# Altium PCB SensorMotherBoard.PcbDoc (part 2 of 2)
Units mil, origin at the board's own origin, x right, y up, seen from the top; angles counter-clockwise.
Board outline 8008 x 8008.24 mil, 4 copper layers (Top Layer, Layer 1, Layer 2, Bottom Layer), stack 23.756 mil thick; 234 components, 126 nets, 753 pads, 379 vias.
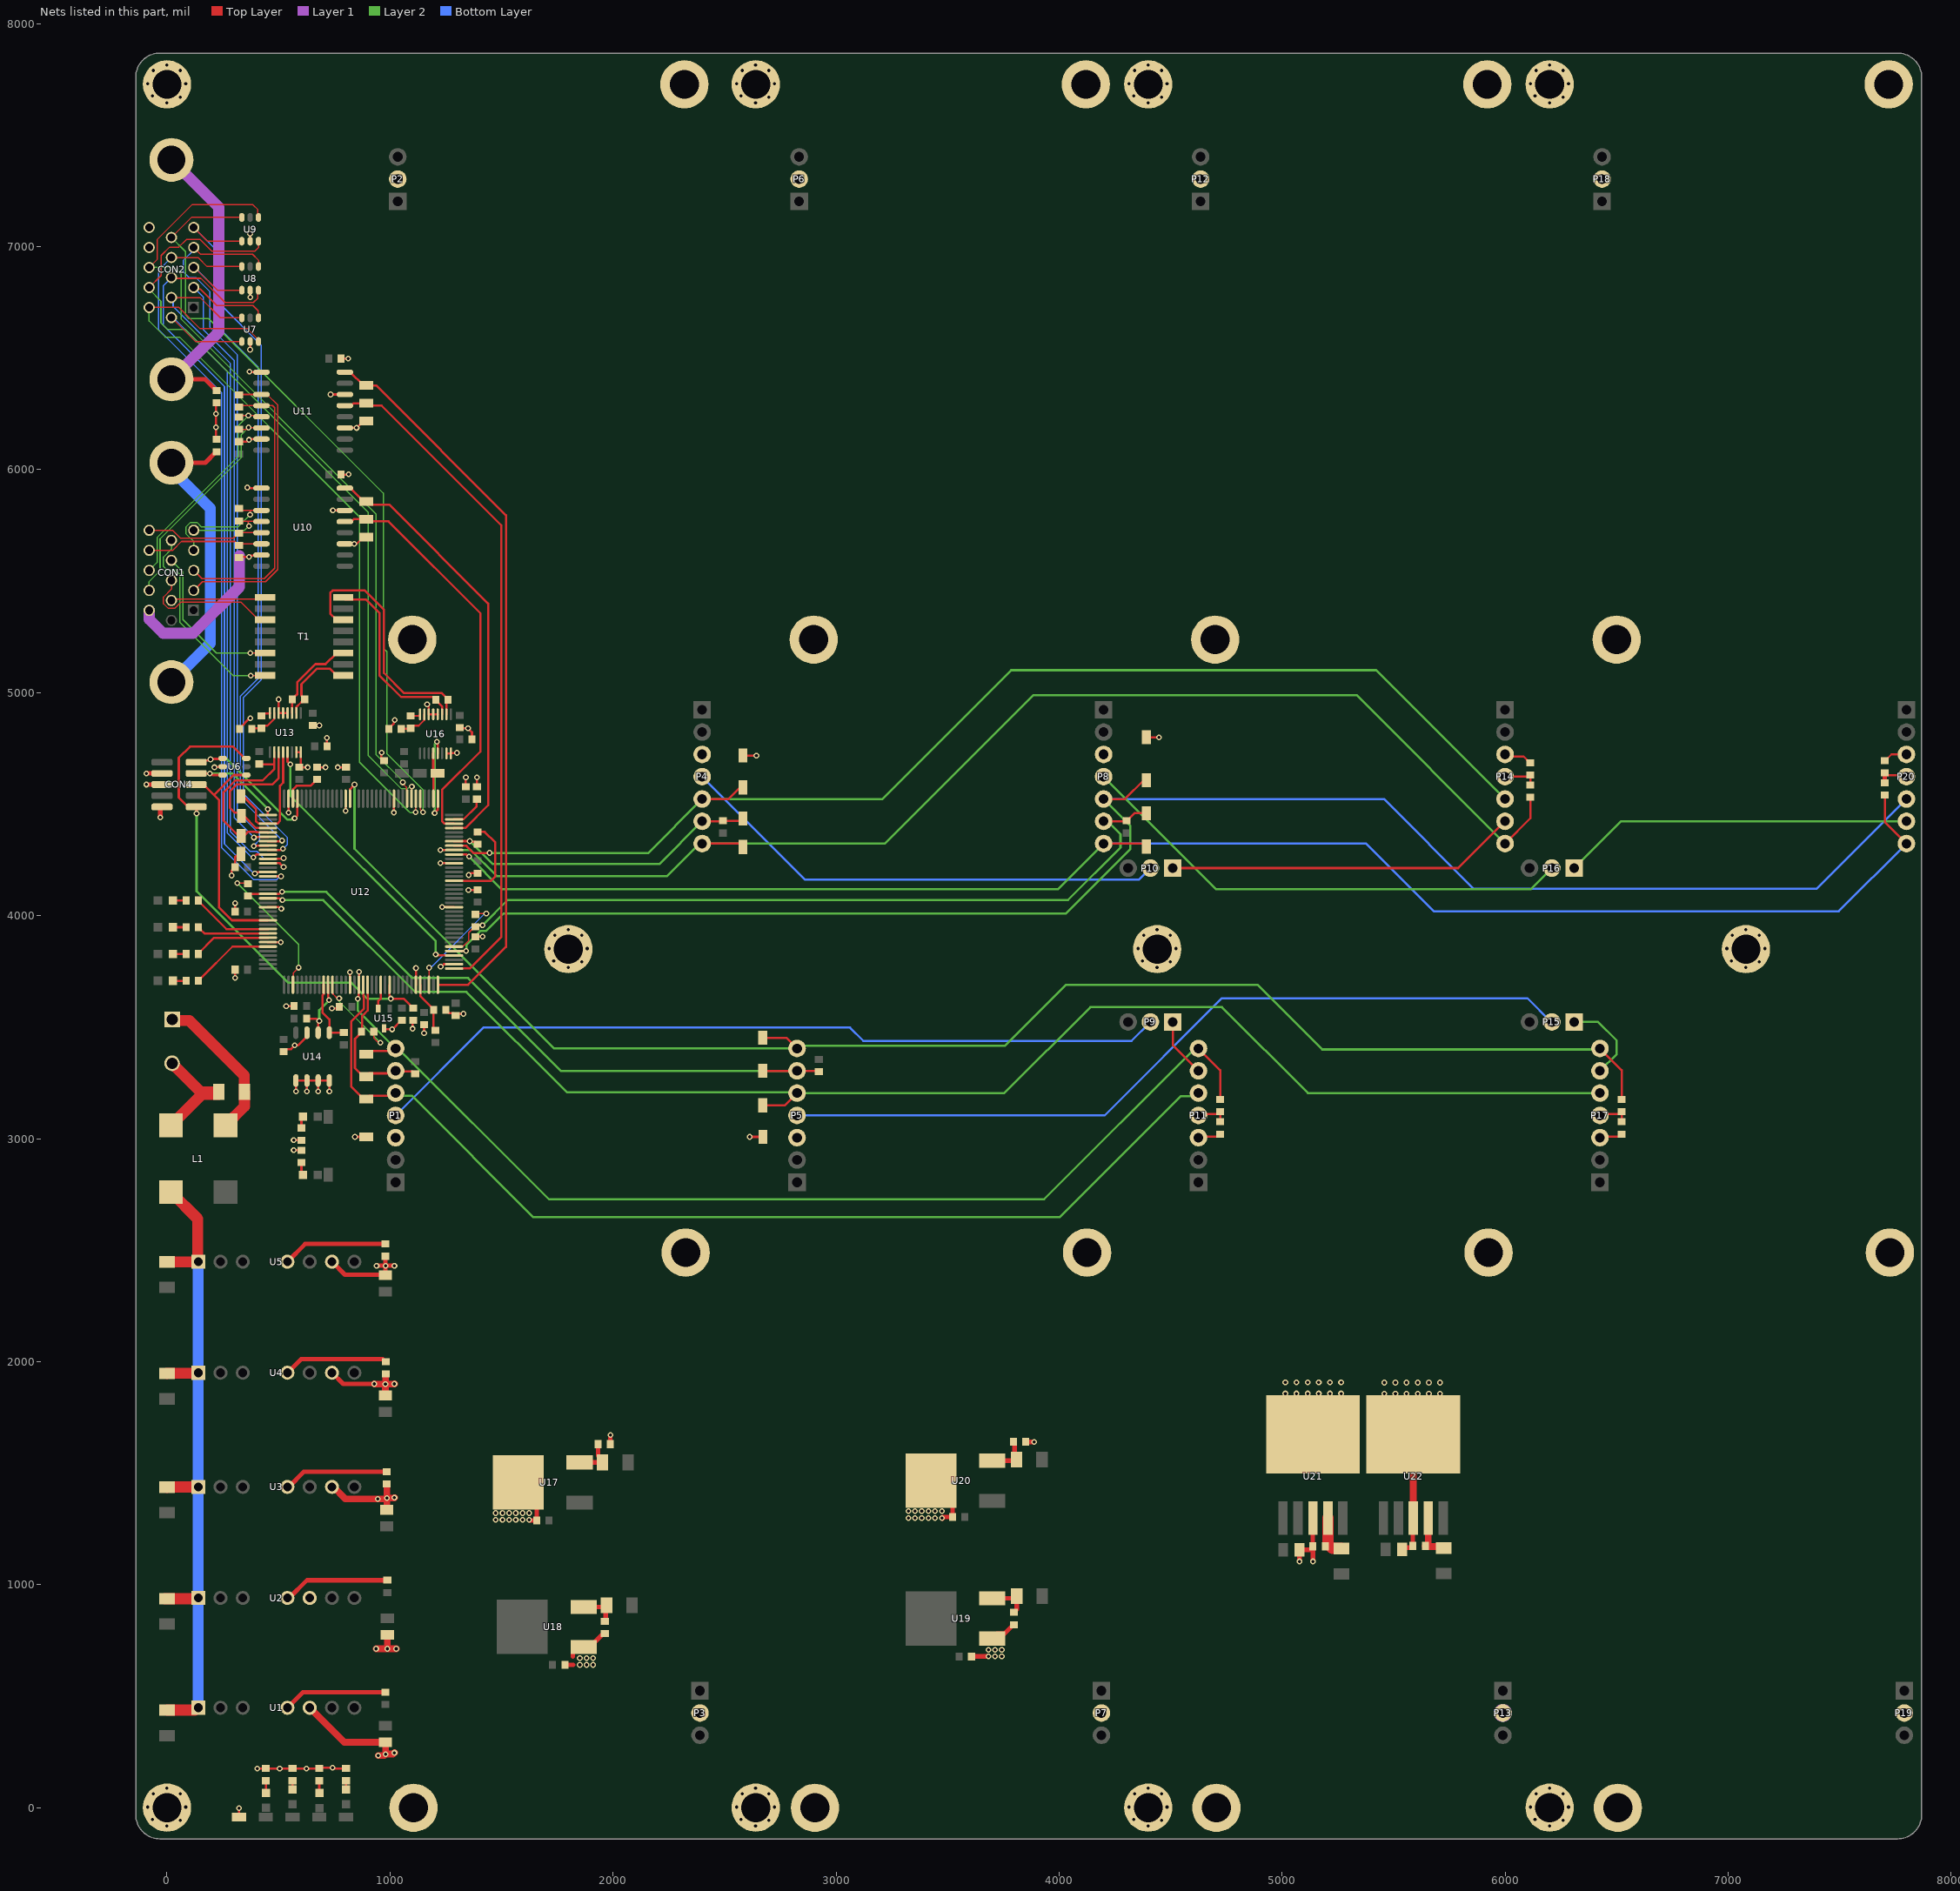
[diagram p4: the nets of this part, all layers, seen from the top]

## Via types
v1: diameter 26, hole 14, Top Layer to Bottom Layer, tented both sides, 315 vias
v2: diameter 26, hole 14, Top Layer to Bottom Layer, 64 vias

## Nets (pads, with @x,y where several pads share a name; then routed paths per layer and width w, separated by ;. In a path a pad name is that pad's centre, name@x,y a point inside that pad or via, vN(x,y) a via of type N, cw(c..) or ccw(c..) an arc to the next point about the centre after c; other vN are vias at no path point) (continued)
AMDC_isoSPI1_NSS: U12.73 U16.5 | length 448.2
  Top Layer w10: v1(1200,4460) 1214.14,4474.14 1214.14,4524.27 U12.73@1214.49,4524.61 ; v1(1210,4780) 1210,4775.67 1213.54,4772.13 U16.5@1213.54,4728
  Layer 2 w10: v1(1200,4460) 1200,4770 v1(1210,4780)
AMDC_isoSPI1_SCLK: TP13.1 U12.74 U16.4 | length 221.1
  Top Layer w10: U16.4@1193.86,4728 1193.86,4706.43 1193.92,4706.37 1193.92,4652.69 1208.6,4638 TP13.1@1212.91,4638 ; U12.74@1194.8,4524.61 1194.8,4623.31 1209.49,4638 TP13.1@1210.73,4638
AMDC_isoSPI2_MISO: TP2.1 U12.112 U13.3 | length 641.8
  Top Layer w10: U12.112@452.33,4393.07 399.09,4393.07 345.24,4446.92 TP2.1@333.43,4446.92 318.74,4461.6 303.91,4461.6 282.91,4482.6 282.91,4558.56 312.27,4587.92 472.83,4587.92 501.19,4616.28 U13.3@501.19,4733.41
AMDC_isoSPI2_MOSI: R13.2 TP1.1 U12.113 U13.2 | length 779.9
  Top Layer w9: R13.2@412.91,4680.44 415.35,4678 481.5,4678
  Top Layer w10: U12.113@452.68,4373.04 452.33,4373.39 402.68,4373.39 400.56,4375.5 362.22,4375.5 344.72,4358 TP1.1@332.91,4358 321.1,4358 252.91,4426.19 252.91,4553.31 305.89,4606.29 428.92,4606.29 481.5,4658.87 481.5,4678 U13.2@481.5,4733.41
AMDC_isoSPI2_NSS: U12.40 U13.5 | length 1266.2
  Top Layer w10: U13.5@540.56,4733.41 540.56,4690.35 v1(552.91,4678) ; v1(1205.27,3826.47) 1209.88,3821.86 U12.40@1287.32,3821.86
  Layer 2 w10: v1(552.91,4678) 552.91,4538 1205.27,3885.64 v1(1205.27,3826.47)
AMDC_isoSPI2_SCLK: TP3.1 U12.111 U13.4 | length 579.1
  Top Layer w10: TP3.1@331.36,4535.78 343.18,4535.78 357.86,4521.1 357.86,4518.7 398.84,4477.72 398.84,4424.47 409.97,4413.34 409.97,4412.76 452.33,4412.76 U12.111@452.68,4412.41 453.02,4412.76 494.8,4412.76 507.11,4425.06 507.11,4582.7 520.87,4596.46 U13.4@520.87,4733.41
AMDC_UART1_IN: TP9.1 U11.5 U12.37 | length 3049.4
  Top Layer w10: U11.5@797.6,6287.29 826.88,6287.29 837.58,6298 TP9.1@892.91,6298 903.62,6287.29 962.71,6287.29 1498.85,5751.15 1498.85,3903.94 1358.06,3763.15 1287.67,3763.15 U12.37@1287.32,3762.8
AMDC_UART1_OUT: TP10.1 U11.8 U12.36 | length 3299.8
  Top Layer w10: U11.8@797.6,6437.29 821.81,6437.29 881.1,6378 937.66,6378 1520,5795.66 1520,3860 1349.97,3689.97 U12.36@1214.49,3689.97
AMDC_UART2_IN: TP7.1 U10.5 U12.70 | length 1848.3
  Top Layer w10: U10.5@797.6,5767.29 826.88,5767.29 837.58,5778 TP7.1@892.91,5778 902.91,5768 985.33,5768 992.91,5768 995.84,5765.07 999.48,5761.43 1405.41,5355.5 1405.41,4735.41 1233.48,4563.48 1233.48,4424.47 1245.2,4412.76 1286.98,4412.76 U12.70@1287.32,4412.41
AMDC_UART2_OUT: TP8.1 U10.8 U12.69 | length 1956.7
  Top Layer w10: U10.8@797.6,5917.29 821.81,5917.29 881.1,5858 TP8.1@892.91,5858 907.6,5843.31 996.69,5843.31 1440,5400 1440,4495.09 1337.98,4393.07 1287.67,4393.07 U12.69@1287.32,4392.72
BUSY15: R24.2 U12.12 | length 410.8
  Top Layer w6: U12.12@742.05,3671.47 742.05,3652.96 745.33,3649.68 745.33,3647.74 759.63,3633.43 768.48,3633.43 v1(772.31,3629.61) ; R24.2@927.56,3480 927.56,3451.06 948.55,3430.07 v1(957.06,3430.07)
  Top Layer w10: R24.2@919.21,3476.57 919.72,3476.06 R24.2@919.72,3468.75
  Layer 2 w6: v1(772.31,3629.61) 772.31,3614.82 v1(957.06,3430.07)
BUSY26: R37.1 U12.57 | length 458.9
  Top Layer w10: U12.57@1287.32,4156.5 1453.04,4156.5 1471.93,4175.39 1471.93,4327.96 1424.33,4375.56 R37.1@1392.91,4375.56 R37.1@1382.16,4364.81
BUSY37: R12.2 U12.3 | length 629.4
  Top Layer w6: v1(315.22,4146.07) 359.96,4146.07 R12.2@362.91,4143.12 ; U12.3@564.88,3689.97 565.99,3691.08 565.99,3742.59 v1(590.24,3766.84)
  Layer 2 w6: v1(315.22,4146.07) 590.24,3871.04 v1(590.24,3766.84)
BUSY48: R36.1 U12.34 | length 484.5
  Top Layer w6: U12.34@1175.12,3689.97 1175.48,3690.33 1175.48,3766.29 v1(1175.83,3766.65) ; R36.1@1382.91,4005.56 1387.3,4009.95 v1(1431.86,4009.95)
  Bottom Layer w6: v1(1175.83,3766.65) 1181.25,3766.65 1187.13,3772.53 1189.06,3772.53 1426.48,4009.95 v1(1431.86,4009.95)
CONVST15: P1.7 P11.7 R45.1 TP6.1 U12.18 | length 4988.6
  Top Layer w10: v1(855.63,3627.24) 859.81,3631.42 859.81,3689.62 U12.18@860.16,3689.97 860.5,3690.31 860.5,3746.86 v1(861.37,3747.72) ; TP6.1@892.91,3378 907.6,3392.69 1013.63,3392.69 P1.7@1025.2,3404.25 ; P11.7@4625.2,3404.25 4722.91,3306.54 R45.1@4722.91,3175.56
  Layer 2 w10: v1(855.63,3627.24) 855.63,3573.82 P1.7@1025.2,3404.25 1036.66,3404.25 1712.91,2728 3932.91,2728 4609.16,3404.25 P11.7@4625.2,3404.25
CONVST26: P4.7 P14.7 R50.1 TP14.1 U12.64 | length 5937.4
  Top Layer w10: v1(1226.61,4294.3) U12.64@1287.32,4294.3 ; P4.7@2399.64,4323.26 2400.22,4322.69 2568.23,4322.69 TP14.1@2582.91,4308 ; P14.7@5999.64,4323.26 6112.91,4436.54 R50.1@6112.91,4530.44
  Layer 2 w10: v1(1226.61,4294.3) 1361.85,4294.3 1478.15,4178 2242.91,4178 2388.18,4323.26 P4.7@2399.64,4323.26 3218.77,4323.26 3884.64,4989.14 5333.76,4989.14 P14.7@5999.64,4323.26
CONVST37: P5.7 P17.7 R51.1 TP19.1 U12.93 | length 7007.7
  Top Layer w10: U12.93@820.79,4524.61 821.13,4524.96 821.13,4566.74 833.87,4579.47 833.87,4584.02 837.64,4587.79 v1(840.81,4587.79) 833.12,4587.79 v1@832.91,4588 ; TP19.1@2671.16,3452.04 2777.41,3452.04 P5.7@2825.2,3404.25 ; P17.7@6425.2,3404.25 6522.91,3306.54 R51.1@6522.91,3175.56
  Layer 2 w10: v1(840.81,4587.79) 840.81,4300.1 1736.66,3404.25 P5.7@2825.2,3404.25 2837.64,3416.69 3758.19,3416.69 4031.5,3690 4890,3690 5180,3400 6420.95,3400 P17.7@6425.2,3404.25
CONVST48: P8.7 P20.7 R54.1 TP20.1 U12.63 | length 7369.1
  Top Layer w10: U12.63@1287.32,4274.61 1342.18,4274.61 1351.74,4265.05 v1(1355.04,4265.05) ; P8.7@4199.64,4323.26 4378.43,4323.26 TP20.1@4391.69,4310 ; R54.1@7702.91,4540.44 7702.91,4419.99 P20.7@7799.64,4323.26
  Layer 2 w10: v1(1355.04,4265.05) 1355.04,4263.56 1500.6,4118 3994.38,4118 P8.7@4199.64,4323.26
  Bottom Layer w10: P8.7@4199.64,4323.26 5376.74,4323.26 5680,4020 7496.38,4020 P20.7@7799.64,4323.26
DIN1: P1.4 P9.2 | length 3668.2
  Top Layer w10: P9.2@4391.92,3505.55 P9.2@4409.64,3523.26 4409.64,3504.73 P9.2@4392.74,3504.73
  Bottom Layer w10: P1.4@1025.2,3104.25 1418.95,3498 3062.91,3498 3122.91,3438 4324.38,3438 P9.2@4409.64,3523.26
DIN2: P4.4 P10.2 | length 2222.8
  Bottom Layer w10: P4.4@2399.64,4623.26 2861.51,4161.39 4357.77,4161.39 P10.2@4409.64,4213.26
DIN3: P5.4 P15.2 | length 3646.4
  Bottom Layer w10: P5.4@2825.2,3104.25 4204.25,3104.25 4730,3630 6100,3630 6206.74,3523.26 P15.2@6209.64,3523.26
DIN4: P8.4 P16.2 | length 2258.7
  Layer 2 w10: P8.4@4199.64,4623.26 4704.9,4118 6114.38,4118 P16.2@6209.64,4213.26
DIN5: P11.4 R45.2 R46.2 | length 149.3
  Top Layer w10: P11.4@4625.2,3104.25 4630.64,3109.69 4712.16,3109.69 R45.2@4722.91,3120.44 R46.2@4722.91,3075.56
DIN6: P14.4 R49.2 R50.2 | length 161.1
  Top Layer w10: P14.4@5999.64,4623.26 6105.74,4623.26 R49.2@6112.91,4630.44 R50.2@6112.91,4585.56
DIN7: P17.4 R51.2 R52.2 | length 149.3
  Top Layer w10: P17.4@6425.2,3104.25 6430.64,3109.69 6512.16,3109.69 R51.2@6522.91,3120.44 R52.2@6522.91,3075.56
DIN8: P20.4 R53.2 R54.2 | length 148.7
  Top Layer w10: R53.2@7702.91,4640.44 7713.66,4629.69 7793.21,4629.69 P20.4@7799.64,4623.26
  Top Layer w20: R54.2@7702.91,4595.56 R53.2@7702.91,4640.44
DOUT1: P1.6 R24.1 R33.1 TP5.1 U12.20 | length 702.3
  Top Layer w10: TP5.1@892.91,3278 TP5.1@891.1,3278 ; U12.20@899.53,3689.97 899.18,3689.62 899.53,3689.28 899.53,3574.47 875.35,3550.29 875.35,3480 874.41,3480 861.69,3467.28 861.69,3466.34 842.91,3447.56 842.91,3316.19 881.1,3278 TP5.1@891.1,3278 ; R33.1@1112.91,3290.44 1102.16,3301.19 1028.26,3301.19 P1.6@1025.2,3304.25 1013.63,3292.69 905.79,3292.69 TP5.1@891.1,3278
DOUT2: P4.6 R37.2 R40.1 TP15.1 U12.66 | length 1463
  Top Layer w10: U12.66@1287.32,4333.67 1287.67,4334.02 1324.38,4334.02 1324.5,4334.13 1360.57,4334.13 1363.51,4331.19 1382.16,4331.19 R37.2@1392.91,4320.44 ; P4.6@2399.64,4423.26 R40.1@2492.91,4423.26 ; R40.1@2492.91,4425.56 2572.3,4425.56 TP15.1@2582.91,4436.17
  Layer 2 w10: v1(1357.86,4334.13) 1460.65,4231.34 2207.72,4231.34 P4.6@2399.64,4423.26
DOUT3: P5.6 R12.1 R41.1 TP18.1 U12.127 | length 3056.3
  Top Layer w10: R12.1@362.91,4088 372.36,4097.45 U12.127@452.68,4097.45 453.02,4097.8 502.56,4097.8 511.66,4106.9 v1(515.99,4106.9) ; TP18.1@2671.16,3305.09 2672.01,3304.25 P5.6@2825.2,3304.25 2919.1,3304.25 R41.1@2922.91,3300.44
  Layer 2 w10: v1(515.99,4106.9) 714.01,4106.9 1100.91,3720 1350,3720 1765.75,3304.25 P5.6@2825.2,3304.25
DOUT4: P8.6 R36.2 R44.1 TP21.1 U12.42 | length 3522.9
  Top Layer w6: U12.42@1324.33,3861.23 1327.61,3864.51 1329.55,3864.51 1352.91,3887.87 1352.91,3923.87 1366.73,3937.69 1370.16,3937.69 R36.2@1382.91,3950.44
  Top Layer w10: R36.2@1382.91,3950.44 1389.03,3956.56 v1(1414.53,3956.56) ; P8.6@4199.64,4423.26 4300.62,4423.26 R44.1@4302.91,4425.56 4304.88,4425.56 4338.67,4459.35 TP21.1@4391.69,4459.35
  Layer 2 w10: v1(1414.53,3956.56) 1527.97,4070 4040,4070 4275.41,4305.41 4275.41,4365.5 4217.65,4423.26 P8.6@4199.64,4423.26
DOUT5: P9.1 P11.6 | length 266.9
  Top Layer w10: P9.1@4509.64,3523.26 4509.64,3419.81 P11.6@4625.2,3304.25
DOUT6: P10.1 P14.6 | length 1577
  Top Layer w10: P10.1@4509.64,4213.26 5789.64,4213.26 P14.6@5999.64,4423.26
DOUT7: P15.1 P17.6 | length 391.6
  Layer 2 w10: P15.1@6309.64,3523.26 6416.74,3523.26 6500,3440 6500,3379.05 P17.6@6425.2,3304.25
DOUT8: P16.1 P20.6 | length 1577
  Layer 2 w10: P16.1@6309.64,4213.26 6519.64,4423.26 P20.6@7799.64,4423.26
GND: C7.2 C8.2 C9.2 C12.2 C13.2 C14.2 C15.2 C16.2 C17.2 C18.2 C19.2 C20.2 C21.2 C22.1 C23.2 C24.1 C25.1 C26.2 C27.2 C28.2 C29.1 C30.2 C31.2 C32.2 C33.2 C34.2 C35.2 C36.2 C37.2 C38.2 C39.2 C40.1 C41.2 C42.1 C43.2 C44.1 C45.2 C46.1 C47.2 C48.1 C49.1 C50.1 C51.1 CON2.14 CON2.15 CON4.3 CON4.5 CON4.9 GND1.1 MH1.1 MH2.1 MH3.1 MH4.1 MH5.1 MH6.1 MH7.1 MH8.1 MH9.1 MH10.1 MH11.1 MH12.1 MH13.1 MH14.1 MH15.1 MH16.1 MH17.1 MH18.1 MH19.1 MH20.1 MH21.1 MH22.1 MH23.1 MH24.1 MH25.1 MH26.1 MH27.1 P1.3 P2.2 P3.2 P4.3 P5.3 P6.2 P7.2 P8.3 P11.3 P12.2 P13.2 P14.3 P17.3 P18.2 P19.2 P20.3 R5.1 R6.1 R11.1 R15.1 R16.1 R19.1 R20.1 R21.1 R23.1 R26.1 R27.2 R28.2 R30.1 R46.1 R49.1 R52.1 R53.1 TG1.1 TG2.1 TG3.1 TG4.1 TG5.1 TG6.1 TG7.1 U1.6 U2.6 U3.7 U4.7 U5.7 U6.2 U7.2 U8.2 U9.2 U10.3 U10.6 U11.3 U11.6 U12.16 U12.31 U12.38 U12.51 U12.61 U12.83 U12.94 U12.107 U12.120 U12.130 U12.138 U13.7 U13.8 U13.12 U13.13 U13.14 U14.1 U14.2 U14.3 U14.4 U14.7 U15.3 U16.7 U16.8 U16.12 U16.13 U16.14 U17.4 U18.1 U19.1 U20.4 U21.3 U21.6 U22.3 U22.6 | length 8590.3
  Top Layer w10: v1(212.91,4665.5) 214.16,4666.75 248.51,4666.75 U6.2@249.76,4668 ; v1(220,6250) v1(220,6190) 220,6138.47 R5.1@222.91,6135.56 ; v1@221.46,6251.46 220,6252.91 220,6297.53 R6.1@222.91,6300.44 ; v1(290,4180) 290,4202.65 C9.2@305.35,4218 305.35,4261.53 320.57,4276.75 TG1.1@332.38,4276.75 ; v1(305.35,3720.44) C7.2@305.35,3758 ; C8.2@305.35,4018 v1(305.35,4055.56) ; GND1.1@322.91,-42 v1(322.91,-2) ; R11.1@325.35,4838 325.35,4839.97 370.75,4885.37 v1(373.41,4885.37) ; v1(372.91,6538) U7.2@372.91,6574.85 ; U8.2@372.91,6804.85 373.47,6804.3 373.47,6773.61 v1(374.02,6773.05) ; v1(372.91,7058) U9.2@372.91,7024.85 U9.2@373.09,7024.67 ; v1(405.35,175.56) R15.1@442.91,175.56 v1(505.35,175.56) R16.1@562.91,175.56 v1(625.35,175.56) R21.1@682.91,175.56 685.89,178.54 v1(742.37,178.54) ; U12.138@452.68,3880.91 v1(510,3880.91) ; U12.130@452.68,4038.39 453.02,4038.05 501.08,4038.05 508.63,4030.5 v1(512.96,4030.5) ; U12.120@452.68,4235.24 505.67,4235.24 v1(522.91,4218) ; v1(500,4970) 501.19,4968.81 U13.14@501.19,4908.61 U13.13@520.87,4908.61 U13.12@540.56,4908.61 U13.12@540.37,4908.79 ; C12.2@522.91,3390.44 533.66,3401.19 556.1,3401.19 v1(572.91,3418) 587.36,3418 627.91,3458.55 U14.7@627.91,3475.28 ; v1(534.51,3593.47) 562.63,3593.47 567.17,3598 C13.2@570.45,3594.72 ; v1(544.92,4462.06) 545.06,4462.2 545.06,4524.47 U12.107@545.2,4524.61 ; v1(568.03,2948) R19.1@602.91,2948 ; v1(568.03,2992.88) R20.1@602.91,2992.88 ; v1(577.91,3212.09) U14.1@577.91,3260.72 622.48,3260.72 625.2,3258 U14.2@627.91,3260.72 ; U13.7@579.93,4733.41 U13.8@599.61,4733.41 599.61,4672.26 C14.2@592.91,4665.56 v1(630.47,4665.56) ; v1(627.91,3212.09) U14.2@627.91,3260.72 ; C15.2@652.91,4852.88 v1(682.91,4852.88) ; C17.2@672.91,4665.56 v1(710.47,4665.56) ; v1(677.91,3212.09) U14.3@677.91,3260.72 ; C16.2@717.56,4760 v1(717.56,4797.56) ; v1(727.91,3212.09) U14.4@727.91,3260.72 U14.3@677.91,3260.72 ; v1(733.62,6337.29) U11.6@797.6,6337.29 ; v1(739.58,3584.91) 766.76,3584.91 C20.2@773.23,3591.39 ; v1(743.62,5817.29) U10.6@797.6,5817.29 ; v1@745.35,175.56 R23.1@802.91,175.56 ; v1(765.35,4665.56) C21.2@802.91,4665.56 ; C20.2@774.75,3582.28 782.91,3590.44 C20.2@777.6,3595.76 ; C18.2@780.47,5978 812.91,5978 v1(814.53,5979.62) ; C19.2@780.47,6498 v1(812.91,6498) ; U10.3@797.6,5667.29 v1(839.41,5667.29) 850.39,5667.29 881.1,5698 TG3.1@892.91,5698 ; U11.3@797.6,6187.29 v1(850.39,6187.29) 881.1,6218 TG4.1@892.91,6218 ; v1(801.1,4469.81) U12.94@801.1,4524.61 ; U12.16@820.79,3689.97 v1(820.79,3745.87) ; v1(842.91,3008) TG2.1@892.91,3008 ; v1(962.85,4730.71) 960.73,4728.59 960.73,4706.31 971.48,4695.56 C27.2@972.91,4695.56 ; U15.3@972.8,3494.43 972.8,3494.27 977.64,3489.43 978.21,3490 v1(1010,3490) 1050.44,3530.44 C28.2@1052.91,3530.44 ; R30.1@995.35,4838 995.35,4839.97 1017.75,4862.36 1017.75,4874.1 v1(1020.81,4877.16) ; v1(1017.64,4462.72) U12.83@1017.64,4524.61 ; v1(1101.74,3493.42) 1101.74,3532.57 C29.1@1102.98,3533.8 ; U12.31@1116.06,3689.97 v1(1116.06,3764.85) ; v1(1152.91,3472.91) C30.2@1152.91,3510.44 ; v1(1166.59,4948) v1@1170.27,4948 ; v1@1172.77,4947.86 1172.63,4948 v1@1170.27,4948 ; U16.12@1213.54,4903.2 U16.13@1193.86,4903.2 U16.14@1174.17,4903.2 1174.17,4944.1 v1@1170.27,4948 ; v1(1225.67,4235.24) U12.61@1287.32,4235.24 ; v1(1227.13,3771.99) 1231.46,3771.99 1241.61,3782.14 1286.98,3782.14 U12.38@1287.32,3782.49 ; v1(1233.31,4038.39) U12.51@1287.32,4038.39 ; C31.2@1250.47,3578 1250.47,3576.03 1261.22,3565.28 1263.19,3565.28 1265.18,3563.29 1283.51,3563.29 C32.2@1294.26,3552.54 1301.71,3560 v1(1330,3560) ; U16.7@1252.91,4728 U16.8@1272.6,4728 1272.6,4726.27 1276.33,4730 v1(1300,4730) ; C33.2@1312.91,4842.88 1315.79,4840 v1(1350,4840) 1367.56,4822.44 C34.2@1367.56,4790 ; C35.2@1340,4577.56 v1(1340,4620) ; v1(1351.69,4114.83) 1352.41,4115.56 C39.2@1392.91,4115.56 ; v1(1352.41,4182) 1353.73,4182 1362.16,4190.44 C38.2@1392.91,4190.44 ; C36.2@1382.91,3905.56 v1(1415.56,3905.56) ; C37.2@1390,4577.56 v1(1390,4620) ; TG5.1@2582.91,4718 v1(2642.91,4718) ; v1(2612.91,3008) TG6.1@2672.91,3008 ; TG7.1@4398.06,4799.75 v1(4448.06,4799.75) ; P11.3@4625.2,3004.25 4630.64,3009.69 4712.16,3009.69 R46.1@4722.91,3020.44 ; P14.3@5999.64,4723.26 6009.31,4713.59 6082.91,4713.59 6110.94,4685.56 R49.1@6112.91,4685.56 ; P17.3@6425.2,3004.25 6430.64,3009.69 6512.16,3009.69 R52.1@6522.91,3020.44 ; R53.1@7702.91,4695.56 7704.88,4695.56 7732.59,4723.26 P20.3@7799.64,4723.26 ; U14.2@627.91,3260.72 U14.3@677.91,3260.72
  Top Layer w20: v1(-92,4588) CON4.5@-22.31,4588 ; v1(-92,4638) CON4.3@-22.31,4638 ; v1(-30,4440) -30,4483.04 -25.04,4488 CON4.9@-22.31,4488 ; U4.7@740,1950 790,1900 v1(930,1900) ; U5.7@740,2448 798,2390 C24.1@980,2390 ; v1(940,2430) v1(980,2430) ; C24.1@980,2387 C24.1@980,2390 ; R26.1@980,2472.44 v1(980,2430) ; v1(1020,2430) v1(980,2430) ; U17.4@1575.52,1458.04 1657.79,1375.76 C40.1@1657.79,1288 1627.25,1288 v1(1624.25,1291) ; C41.2@1784.13,642.18 C41.2@1784.13,640.21 1821,640.21 ; 1819.35,677.4 1819.35,698.76 1840.84,720.25 U18.1@1868.4,720.25 1895.96,720.25 1950.18,774.47 1957.69,774.47 C43.2@1963.44,780.21 ; C42.1@1987.97,1630.41 C42.1@1987.56,1630 1990,1630 1988.27,1631.73 1988.27,1670.3 v1(1988.99,1671.01) v1@1990,1670 ; U20.4@3425.52,1466.04 3522.6,1368.96 C44.1@3522.6,1303.73 3477.42,1303.73 3474.25,1300.56 v1(3474.25,1299) v1@3477.25,1296 ; C45.2@3607.41,678 v1(3682.91,678) ; U19.1@3700.32,758.04 3721.82,779.54 3754.53,779.54 3795.44,820.44 C47.2@3797.41,820.44 ; C46.1@3850,1640 v1(3887.95,1640) ; v1(5078.2,1104.1) C48.1@5078.2,1155.95 5124.45,1155.95 C49.1@5138.27,1169.77 ; C49.1@5136.82,1173.2 5136.82,1297.56 U21.3@5138.28,1299.02 ; v1(5138.27,1104.18) C49.1@5138.27,1169.77 ; C49.1@5139.73,1173.2 C49.1@5138.27,1171.74 C49.1@5138.27,1169.77 ; C50.1@5538.16,1157.96 5546.23,1166.03 5581.18,1166.03 5586.93,1171.78 C51.1@5586.93,1173.75 C51.1@5588.39,1175.21 ; C51.1@5586.82,1175.21 5586.82,1297.56 U22.3@5588.28,1299.02 ; C24.1@980,2390 v1(980,2430)
  Top Layer w30: U1.6@640,448 795,293 C23.2@980,293 v1(980,240) ; U3.7@745.84,1438.31 746.03,1438.31 800.02,1384.32 v1(945.84,1384.32) 981.84,1384.32 v1(985.84,1388.31) ; v1(930,1900) 930.73,1899.27 v1(979.27,1899.27) ; v1(938.09,712.21) v1(988.09,712.21) ; v1(946.87,233.13) 973.13,233.13 v1(980,240) ; C22.1@979.27,1848.33 v1(979.27,1899.27) ; R27.2@980.59,1944.46 980.59,1900.59 v1(979.27,1899.27) ; C25.1@985.84,1335.31 v1(985.84,1388.31) ; R28.2@985.84,1450.75 v1(985.84,1388.31) ; C26.2@988.09,775.21 v1(988.09,712.21) ; v1(1020,246) 1014,240 v1(980,240) ; v1(1020,1390) 1018.31,1388.31 v1(985.84,1388.31) ; v1(1020,1900) 1019.27,1899.27 v1(979.27,1899.27) ; v1(1028.09,712.21) v1(988.09,712.21) ; U22.3@5588.28,1299.02 U22.6@5588.28,1644.02
  Layer 1 w80: P13.2@5989.36,424.92 P13.2@5989.99,424.29
  Bottom Layer w50: P19.2@7785.7,420 P19.2@7789.99,424.29
  other v1: 1851,640.21 1881,640.21 1911,640.21 1851,670.21 1881,670.21 1911,670.21 3712.91,678 3742.91,678 3682.91,708 3712.91,708 3742.91,708 1474.25,1291 1504.25,1291 1534.25,1291 1564.25,1291 1594.25,1291 3324.25,1299 3354.25,1299 3384.25,1299 3414.25,1299 3444.25,1299 1474.25,1321 1504.25,1321 1534.25,1321 1564.25,1321 1594.25,1321 1624.25,1321 3324.25,1329 3354.25,1329 3384.25,1329 3414.25,1329 3444.25,1329 3474.25,1329 5458.14,1856.09 5508.14,1856.09 5558.14,1856.09 5608.14,1856.09 5658.14,1856.09 5708.14,1856.09 5014.53,1857 5064.53,1857 5114.53,1857 5164.53,1857 5214.53,1857 5264.53,1857 5458.14,1906.09 5508.14,1906.09 5558.14,1906.09 5608.14,1906.09 5658.14,1906.09 5708.14,1906.09 5014.53,1907 5064.53,1907 5114.53,1907 5164.53,1907 5214.53,1907 5264.53,1907 1799.22,3767.41 4439.22,3767.41 7079.22,3767.41 1859.22,3792.41 4499.22,3792.41 7139.22,3792.41 1734.22,3797.41 4374.22,3797.41 7014.22,3797.41 1714.22,3852.41 1884.22,3852.41 4354.22,3852.41 4524.22,3852.41 6994.22,3852.41 7164.22,3852.41 1739.22,3912.41 1859.22,3912.41 4379.22,3912.41 4499.22,3912.41 7019.22,3912.41 7139.22,3912.41 1799.22,3937.41 4439.22,3937.41 7079.22,3937.41
  other v2: -0.78,-82.59 2639.21,-82.59 4399.21,-82.59 6199.22,-82.59 59.22,-57.59 2699.21,-57.59 4459.21,-57.59 6259.22,-57.59 -65.78,-52.59 2574.21,-52.59 4334.21,-52.59 6134.22,-52.59 -85.78,2.41 84.22,2.41 2554.21,2.41 2724.21,2.41 4314.21,2.41 4484.21,2.41 6114.22,2.41 6284.22,2.41 -60.78,62.41 59.22,62.41 2579.21,62.41 2699.21,62.41 4339.21,62.41 4459.21,62.41 6139.22,62.41 6259.22,62.41 -0.78,87.41 2639.21,87.41 4399.21,87.41 6199.22,87.41 -0.79,7645.41 2639.21,7645.41 4399.21,7645.41 6199.22,7645.41 59.21,7670.41 2699.21,7670.41 4459.21,7670.41 6259.22,7670.41 -65.79,7675.41 2574.21,7675.41 4334.21,7675.41 6134.22,7675.41 -85.79,7730.41 84.21,7730.41 2554.21,7730.41 2724.21,7730.41 4314.21,7730.41 4484.21,7730.41 6114.22,7730.41 6284.22,7730.41 -60.79,7790.41 59.21,7790.41 2579.21,7790.41 2699.21,7790.41 4339.21,7790.41 4459.21,7790.41 6139.22,7790.41 6259.22,7790.41 -0.79,7815.41 2639.21,7815.41 4399.21,7815.41 6199.22,7815.41